# Altium PCB KAY1024_ATX.PcbDoc (part 1 of 4) (continued)
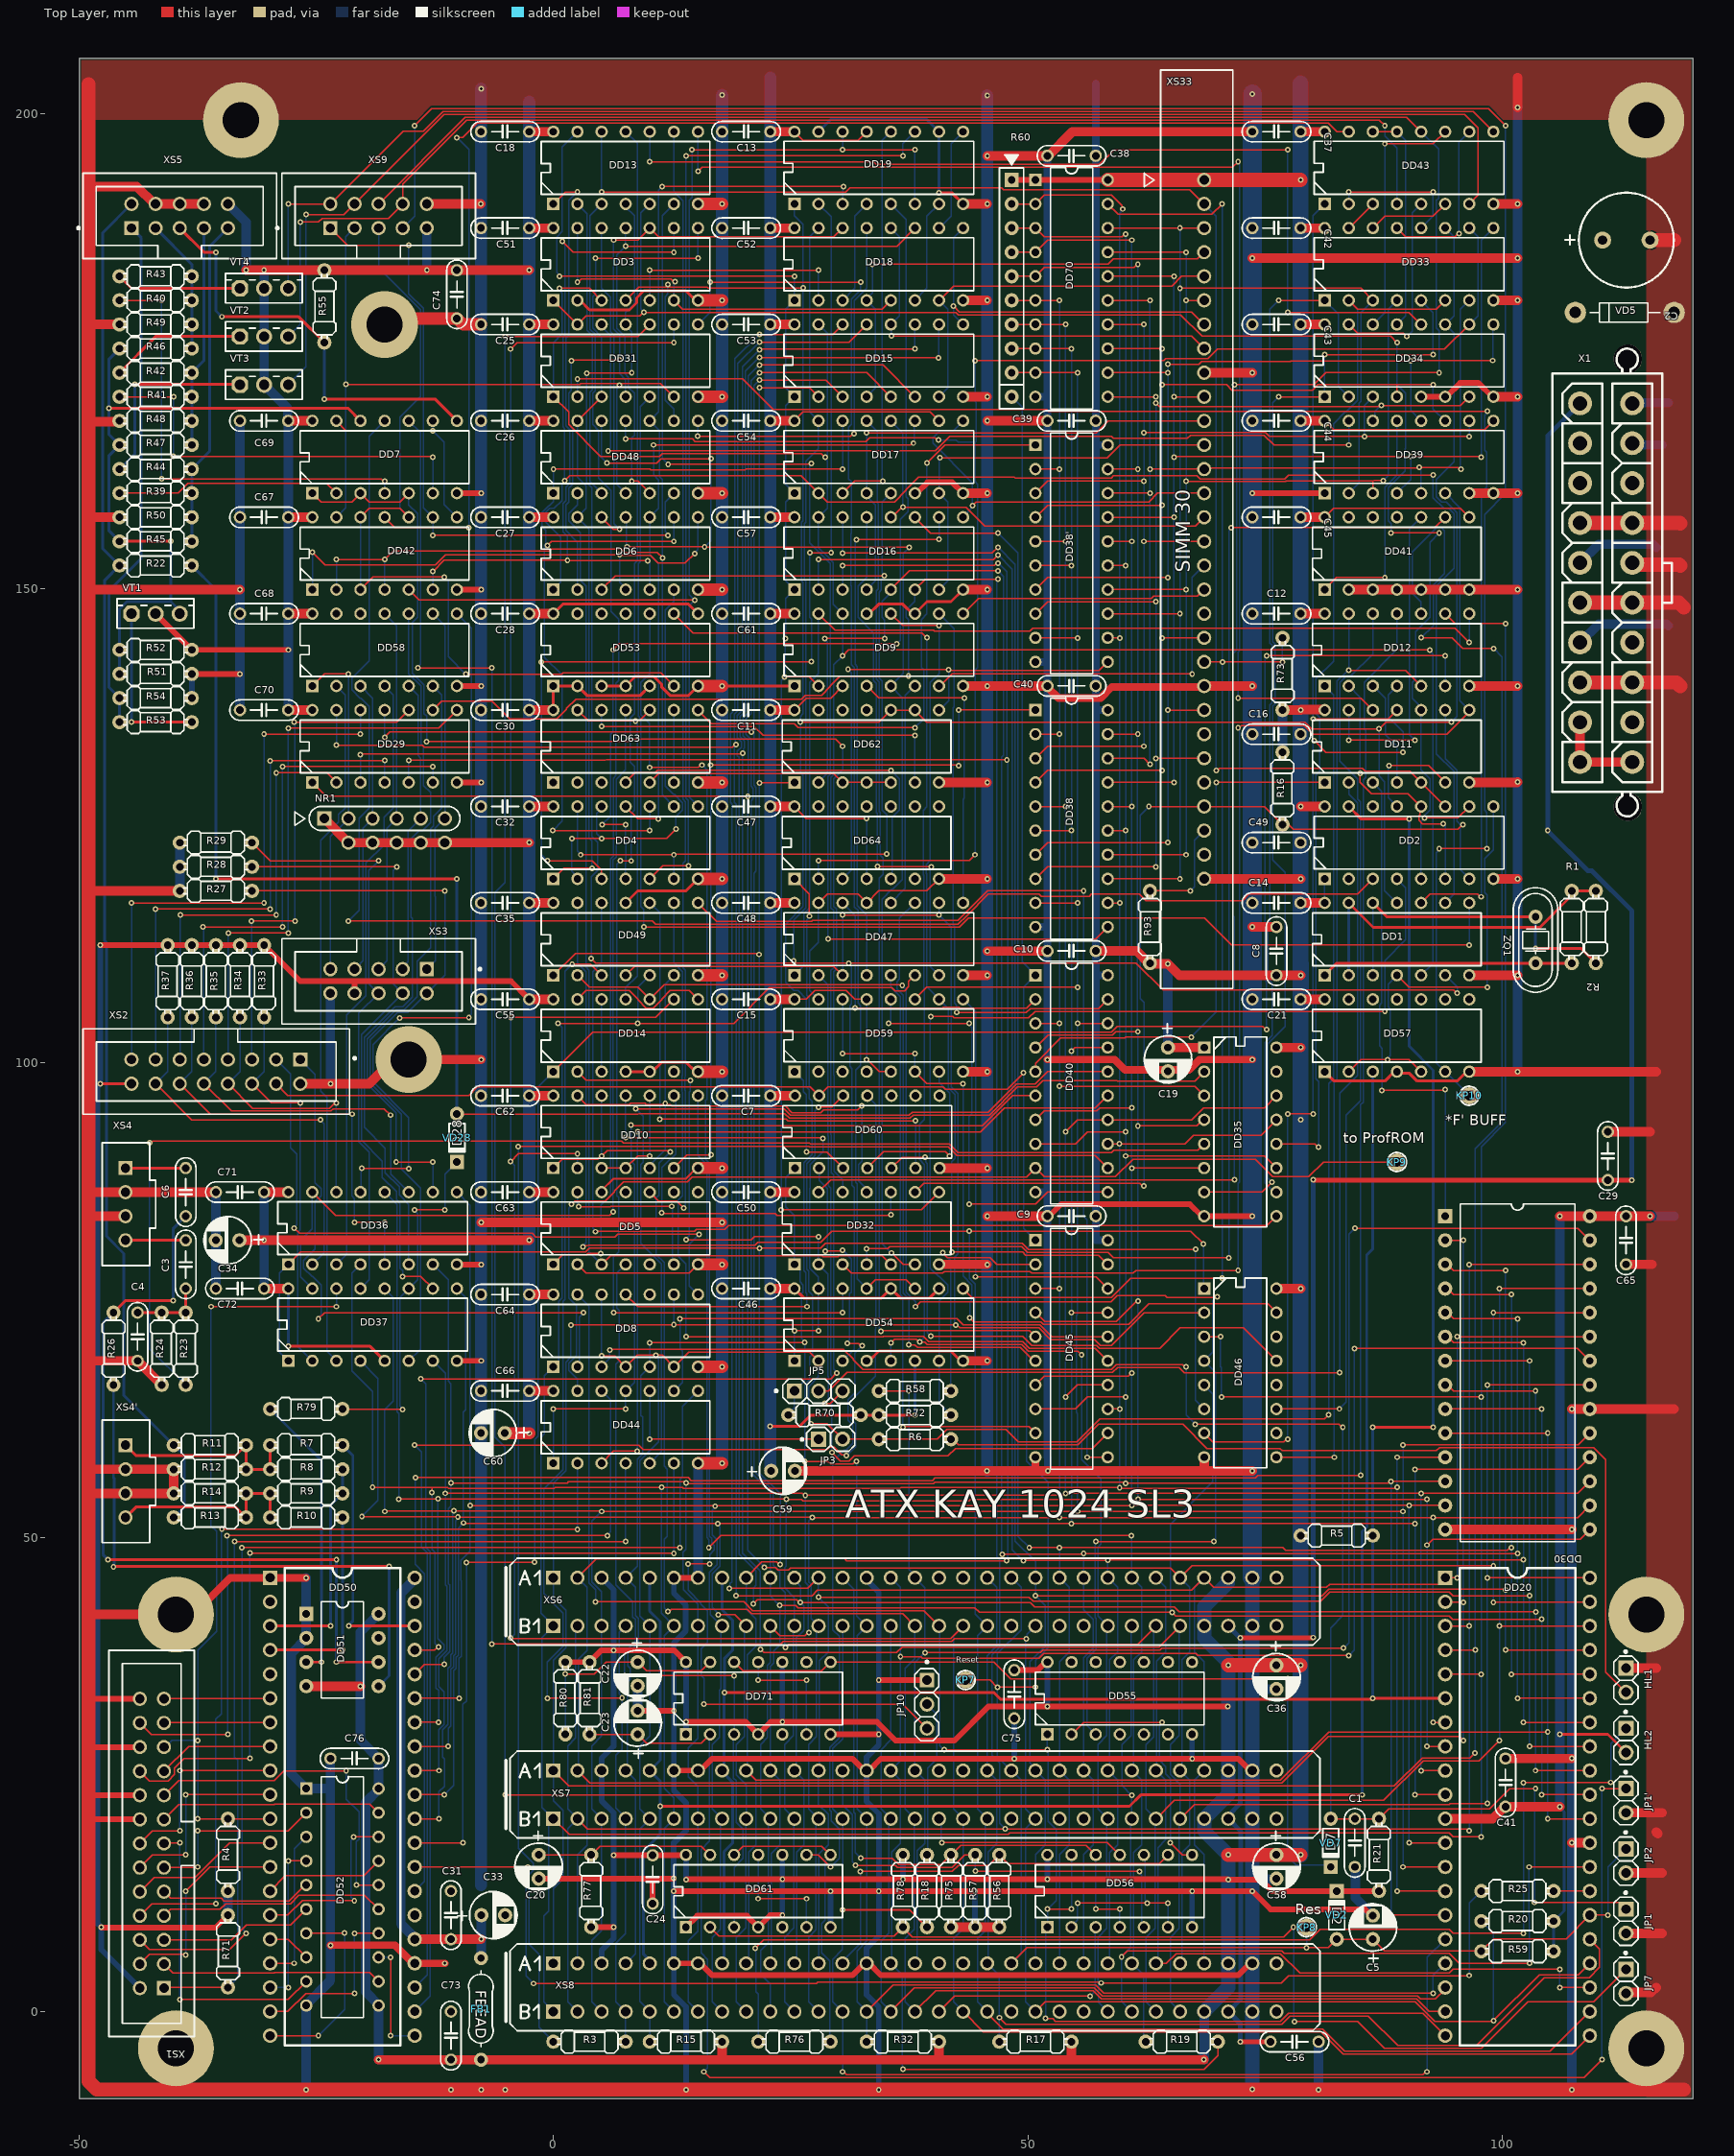
[diagram p0: Top Layer view]
## Footprints (in the part's own frame and the unit in brackets; to place one, negate y for a bottom-side part, rotate by r counter-clockwise, add the part's x,y. Pads: shape width x height; smd on the part's side, far side on the other; paste and mask are expansions set on the pad)
1N4148 [mm]
  round 1.5 hole 0.8: 1(5.08,0)
  rect 1.5x1.5 hole 0.8: 2(0,0)
  silkscreen extent 1.03,-0.84 4.05,0.84, body extent -0.29,-0.84 5.22,0.81, height 1.82
"AL CAP P=2.5 D=3" [mm]
  round 1.5 hole 0.8: 1(0,0) 2(2.5,0)
  silkscreen extent -2.52,-2.53 3.75,2.55, body extent -1.28,-2.52 3.73,2.48, height 11.31
"AL CAP P=5" [mm]
  round 1.8 hole 1: 1(0,0) 2(5,0)
  silkscreen extent -3.94,-5 7.5,5, body extent -3.71,-6.25 8.8,6.25, height 17.02
ATXPOWER [mm]
  round 2.5 hole 1.5: 1(0,0) 2(4.2,0) 3(8.4,0) 4(12.6,0) 5(16.8,0) 6(21,0) 7(25.2,0) 8(29.4,0) 9(33.6,0) 10(37.8,0) 11(0,-5.5) 12(4.2,-5.5) 13(8.4,-5.5) 14(12.6,-5.5) 15(16.8,-5.5) 16(21,-5.5) 17(25.2,-5.5) 18(29.4,-5.5) 19(33.6,-5.5) 20(37.8,-5.5)
  round 3 hole 3 unplated: 21(-4.7,-5.04) 22(42.5,-5.04)
  silkscreen extent -5.72,-9.7 43.57,2.9, body extent -5.7,-8.8 43.5,2.1, height 13.3
BH-10 [mm]
  rect 1.5x1.5 hole 1 paste-1000 mask+0: 1(-5.08,-1.495)
  round 1.5 hole 1 paste-1000 mask+0: 2(-5.08,1.045) 3(-2.54,-1.495) 4(-2.54,1.045) 5(0,-1.495) 6(0,1.045) 7(2.54,-1.495) 8(2.54,1.045) 9(5.08,-1.495) 10(5.08,1.045)
  silkscreen extent -10.8,-4.72 10.2,4.29, body extent -10.01,-4.34 10.01,4.24, height 10.14
BH-16 [mm]
  rect 1.5x1.5 hole 1 paste-1000 mask+0: 1(0,0)
  round 1.5 hole 1 paste-1000 mask+0: 2(0,2.54) 3(2.54,0) 4(2.54,2.54) 5(5.08,0) 6(5.08,2.54) 7(7.62,0) 8(7.62,2.54) 9(10.16,0) 10(10.16,2.54) 11(12.7,0) 12(12.7,2.54) 13(15.24,0) 14(15.24,2.54) 15(17.78,0) 16(17.78,2.54)
  silkscreen extent -5.85,-3.24 22.89,5.76, body extent -5.1,-3.16 22.88,6.02, height 9.43
BH-26 [mm]
  rect 1.5x1.5 hole 1 paste-1000 mask+0: 1(0,0)
  round 1.5 hole 1 paste-1000 mask+0: 2(0,2.54) 3(2.54,0) 4(2.54,2.54) 5(5.08,0) 6(5.08,2.54) 7(7.62,0) 8(7.62,2.54) 9(10.16,0) 10(10.16,2.54) 11(12.7,0) 12(12.7,2.54) 13(15.24,0) 14(15.24,2.54) 15(17.78,0) 16(17.78,2.54) 17(20.32,0) 18(20.32,2.54) 19(22.86,0) 20(22.86,2.54) 21(25.4,0) 22(25.4,2.54) 23(27.94,0) 24(27.94,2.54) 25(30.48,0) 26(30.48,2.54)
  silkscreen extent -5.12,-3.21 35.6,5.79, body extent -5.04,-3.1 35.64,5.9, height 9
BZX85C5V1 [mm]
  round 2.25 hole 1.2: 1(10.415,-0.003) 2(0,0)
  silkscreen extent 1.52,-1.02 8.96,1.02, body extent -0.5,-1.19 10.89,1.17, height 3.35
CAP [mm]
  round 1.3 hole 0.8: 1(0,0) 2(5.08,0)
  silkscreen extent -1.08,-1.08 6.16,1.08, body extent -0.25,-1.1 5.33,1.11, height 6
DIP8 [mm]
  rect 1.5x1.5 hole 0.8: 1(0,0)
  round 1.5 hole 0.8: 2(0,-2.54) 3(0,-5.08) 4(0,-7.62) 5(7.62,-7.62) 6(7.62,-5.08) 7(7.62,-2.54) 8(7.62,0)
  silkscreen extent 1.59,-8.89 6.03,1.27, body extent -0.13,-8.51 7.75,0.89, height 4.36
DIP14 [mm]
  rect 1.3x1.3 hole 0.8: 1(0,0)
  round 1.3 hole 0.8: 2(0,-2.54) 3(0,-5.08) 4(0,-7.62) 5(0,-10.16) 6(0,-12.7) 7(0,-15.24) 8(7.62,-15.24) 9(7.62,-12.7) 10(7.62,-10.16) 11(7.62,-7.62) 12(7.62,-5.08) 13(7.62,-2.54) 14(7.62,0)
  silkscreen extent 1.01,-16.5 6.57,1.28, body extent 0.03,-17.25 7.65,2.05, height 4.19
DIP16 [mm]
  rect 1.3x1.3 hole 0.8: 1(0,0)
  round 1.3 hole 0.8: 2(0,-2.54) 3(0,-5.08) 4(0,-7.62) 5(0,-10.16) 6(0,-12.7) 7(0,-15.24) 8(0,-17.78) 9(7.62,-17.78) 10(7.62,-15.24) 11(7.62,-12.7) 12(7.62,-10.16) 13(7.62,-7.62) 14(7.62,-5.08) 15(7.62,-2.54) 16(7.62,0)
  silkscreen extent 1.03,-18.9 6.6,1.1, body extent -0.12,-19.89 7.75,2.11, height 5.15
DIP20 [mm]
  rect 1.3x1.3 hole 0.8: 1(0,0)
  round 1.3 hole 0.8: 2(0,-2.54) 3(0,-5.08) 4(0,-7.62) 5(0,-10.16) 6(0,-12.7) 7(0,-15.24) 8(0,-17.78) 9(0,-20.32) 10(0,-22.86) 11(7.62,-22.86) 12(7.62,-20.32) 13(7.62,-17.78) 14(7.62,-15.24) 15(7.62,-12.7) 16(7.62,-10.16) 17(7.62,-7.62) 18(7.62,-5.08) 19(7.62,-2.54) 20(7.62,0)
  silkscreen extent 1.59,-24.13 6.03,1.27, body extent -0.13,-23.73 7.75,0.87, height 4.36
DIP28 [mm]
  rect 1.5x1.5 hole 0.8: 1(0,0)
  round 1.5 hole 0.8: 2(0,-2.54) 3(0,-5.08) 4(0,-7.62) 5(0,-10.16) 6(0,-12.7) 7(0,-15.24) 8(0,-17.78) 9(0,-20.32) 10(0,-22.86) 11(0,-25.4) 12(0,-27.94) 13(0,-30.48) 14(0,-33.02) 15(15.24,-33.02) 16(15.24,-30.48) 17(15.24,-27.94) 18(15.24,-25.4) 19(15.24,-22.86) 20(15.24,-20.32) 21(15.24,-17.78) 22(15.24,-15.24) 23(15.24,-12.7) 24(15.24,-10.16) 25(15.24,-7.62) 26(15.24,-5.08) 27(15.24,-2.54) 28(15.24,0)
  silkscreen extent 1.59,-34.29 13.65,1.27
DIP40 [mil]
  rect 60x60 hole 38: 1(0,0)
  round 60 hole 38: 2(0,-100) 3(0,-200) 4(0,-300) 5(0,-400) 6(0,-500) 7(0,-600) 8(0,-700) 9(0,-800) 10(0,-900) 11(0,-1000) 12(0,-1100) 13(0,-1200) 14(0,-1300) 15(0,-1400) 16(0,-1500) 17(0,-1600) 18(0,-1700) 19(0,-1800) 20(0,-1900) 21(600,-1900) 22(600,-1800) 23(600,-1700) 24(600,-1600) 25(600,-1500) 26(600,-1400) 27(600,-1300) 28(600,-1200) 29(600,-1100) 30(600,-1000) 31(600,-900) 32(600,-800) 33(600,-700) 34(600,-600) 35(600,-500) 36(600,-400) 37(600,-300) 38(600,-200) 39(600,-100) 40(600,0)
  silkscreen extent 60,-1940 540,40, body extent -46,-1948 646,48, height 204
HC49 [mm]
  round 1.5 hole 0.8: 1(0,0) 2(4.88,0)
  silkscreen extent -3.07,-2.35 7.95,2.35, body extent -3.21,-2.35 8.14,2.3, height 3.6
"L AIXAL" [mm]
  round 1.5 hole 0.8: 1(0,0) 2(10.716,0)
  silkscreen extent 1.33,-1.32 9.35,1.29
PLS-2 [mm]
  rect 1.6x1.6 hole 1: 1(0,0)
  round 1.6 hole 1: 2(2.54,0)
  silkscreen extent -1.86,-1.28 3.82,1.26, body extent -1.27,-1.27 3.81,1.27, height 8.54
PLS-3 [mm] "THD, 3-Leads, Body 7.62x2.49mm, Pitch 2.54mm"
  rect 1.55x1.55 hole 1.02: 1(-2.54,0)
  round 1.55 hole 1.02: 2(0,0) 3(2.54,0)
  silkscreen extent -4.58,-1.29 3.85,1.25, body extent -3.81,-1.24 3.81,1.24, height 8.38
RES [mm]
  round 1.5 hole 0.8: 1(0,3.81) 2(0,-3.81)
  silkscreen extent -1.2,-3.39 1.2,3.39, body extent -1,-3.2 1,3.2, height 2.27
SIL6 [mm]
  rect 1.5x1.5 hole 1: 1(0,0)
  round 1.5 hole 1: 1(2.54,-2.54) 1(5.08,-2.54) 1(7.62,-2.54) 1(10.16,-2.54) 1(12.7,-2.54) 2(2.54,0) 3(5.08,0) 4(7.62,0) 5(10.16,0) 6(12.7,0)
  silkscreen extent -3.11,-1.26 14.28,1.28
SIL10 [mm]
  rect 1.5x1.5 hole 0.8: 1(0,0)
  round 1.5 hole 0.8: 2(2.54,0) 3(5.08,0) 4(7.62,0) 5(10.16,0) 6(12.7,0) 7(15.244,0) 8(17.78,0) 9(20.32,0) 10(22.86,0)
  silkscreen extent -2.63,-1.29 24.13,1.25
SIMM30 [mm]
  round 1.5 hole 1: 1(0,0) 2(2.54,0) 3(5.08,0) 4(7.62,0) 5(10.16,0) 6(12.7,0) 7(15.24,0) 8(17.78,0) 9(20.32,0) 10(22.86,0) 11(25.4,0) 12(27.94,0) 13(30.48,0) 14(33.02,0) 15(35.56,0) 16(38.1,0) 17(40.64,0) 18(43.18,0) 19(45.72,0) 20(48.26,0) 21(50.8,0) 22(53.34,0) 23(55.88,0) 24(58.42,0) 25(60.96,0) 26(63.5,0) 27(66.04,0) 28(68.58,0) 29(71.12,0) 30(73.66,0)
  silkscreen extent -11.57,-6.32 85.23,3.02
SLOT62_ZXSLOT(Primary) [mm]
  rect 1.5x1.5 hole 1: A1(0,0) B1(-5.08,0)
  round 1.5 hole 1: A2(0,-2.54) A3(0,-5.08) A4(0,-7.62) A5(0,-10.16) A6(0,-12.7) A7(0,-15.24) A8(0,-17.78) A9(0,-20.32) A10(0,-22.86) A11(0,-25.4) A12(0,-27.94) A13(0,-30.48) A14(0,-33.02) A15(0,-35.56) A16(0,-38.1) A17(0,-40.64) A18(0,-43.18) A19(0,-45.72) A20(0,-48.26) A21(0,-50.8) A22(0,-53.34) A23(0,-55.88) A24(0,-58.42) A25(0,-60.96) A26(0,-63.5) A27(0,-66.04) A28(0,-68.58) A29(0,-71.12) A30(0,-73.66) A31(0,-76.2) B2(-5.08,-2.54) B3(-5.08,-5.08) B4(-5.08,-7.62) B5(-5.08,-10.16) B6(-5.08,-12.7) B7(-5.08,-15.24) B8(-5.08,-17.78) B9(-5.08,-20.32) B10(-5.08,-22.86) B11(-5.08,-25.4) B12(-5.08,-27.94) B13(-5.08,-30.48) B14(-5.08,-33.02) B15(-5.08,-35.56) B16(-5.08,-38.1) B17(-5.08,-40.64) B18(-5.08,-43.18) B19(-5.08,-45.72) B20(-5.08,-48.26) B21(-5.08,-50.8) B22(-5.08,-53.34) B23(-5.08,-55.88) B24(-5.08,-58.42) B25(-5.08,-60.96) B26(-5.08,-63.5) B27(-5.08,-66.04) B28(-5.08,-68.58) B29(-5.08,-71.12) B30(-5.08,-73.66) B31(-5.08,-76.2)
  silkscreen extent -7.11,-80.79 2.05,4.98, body extent -7.29,-80.8 2.19,4.54, height 15.13
Socket [mm]
  round 1.8 hole 1: 1(0,0)
  silkscreen extent -1,-1 1,1
STEREO_CONN [mm]
  rect 1.5x1.5 hole 1: 1(0,0)
  round 1.5 hole 1: 2(2.54,0) 3(5.08,0) 4(7.62,0)
  silkscreen extent -2.65,-2.46 10.27,3.17
VT [mm]
  round 1.7 hole 1.1: B(2.54,0) K(0,0)
  oct 1.7x1.7 hole 1.1: E(-2.54,0)
  silkscreen extent -4.07,-1.54 4.02,1.58, body extent -3.59,-1.38 3.61,1.62, height 5.67

## Part data
C1 C3 C4 C6 C7 C8 C9 C10 C11 C12 C13 C14 C15 C16 C18 C21 C24 C25 C26 C27 C28 C29 C30 C31 C32 C35 C37 C38 C39 C40 C41 C42 C43 C44 C45 C46 C47 C48 C49 C50 C51 C52 C53 C54 C55 C56 C57 C61 C62 C63 C64 C65 C66 C67 C68 C69 C70 C71 C72 C73 C74 C75 C76: library part C, Type=C
DD2: library part К555ТМ8, Type=ТМ8
DD3 DD4 DD5: library part К555ИЕ19, Type=ИЕ19
DD6: library part К555ЛИ3, Type=ЛИ3
DD7 DD44: library part К555ЛН2, Type=ЛН3
DD8 DD29: library part К555ЛП9, Type=ЛП9
DD9 DD54: library part К555КП12
  DD9: Type=КП2
  DD54: Type=КП12
DD11: library part К555ЛП5, Type=ЛП5
DD15 DD16 DD17 DD18 DD19 DD36 DD37 DD43 DD47 DD59: library part К555КП11, Type=КП11
DD20: library part Z80, Type=Z80A
DD31: library part К555ЛА4, Type=ЛА4
DD33 DD34: library part К555КП13_2, Type=КП13
DD35: library part К555ТМ9, Type=ТМ9
DD38 DD52: library part К555ИР22, Type=ИР22
DD39: library part К555ИР10, Type=ИР10
DD40 DD45: library part К555ИР35, Type=ИР35
DD41 DD53: library part К555ИР16_2, Type=ИР16
DD46: library part К555ИД7, Type=ИД7
DD49: library part К555ЛЕ4, Type=ЛЕ4
DD50: library part YM2149F, Type=YM2149F
DD51: library part 1006VI1, Type=1006ВИ1
DD57: library part К555ЛП8, Type=ЛП8
DD70: library part К555АП6, Type=К555АП6
HL1 HL2: library part SVETODIOD, Type=SVETODIOD
JP1 JP1' JP2 JP3 JP7: library part JUMPER2, Type=JUMPER2
JP5 JP10: library part JUMPER3, Type=JUMPER3
KP7 KP8 KP9 KP10: library part XS, Type=XS
NR1: library part NR6, Type=NR6
R1 R2 R3 R4 R5 R6 R7 R8 R9 R10 R11 R12 R13 R14 R15 R16 R17 R18 R19 R20 R21 R22 R23 R24 R25 R26 R27 R28 R29 R32 R33 R34 R35 R36 R37 R39 R40 R41 R42 R43 R44 R45 R46 R47 R48 R49 R50 R51 R52 R53 R54 R55 R56 R57 R58 R59 R70 R71 R72 R73 R75 R76 R77 R78 R79 R80 R81 R93: library part RES, Type=RES
R60: library part NR10, Type=NR10
VD2 VD7 VD28: library part DIOD_2, Type=DIOD_2
VT1 VT2 VT3 VT4: library part VT_NPN, Type=VT_NPN
X1: library part "ATX POWER CONN"
XS1: library part IDC-26
XS2: library part IDC-16
XS3 XS5: library part IDC-10
XS4 XS4': library part STEREO_CONN
XS6 XS7 XS8: library part NEMOBUS, Type=NEMOBUS
ZQ1: library part REZONATOR, Type=REZONATOR
C2 C5 C19 C20 C22 C23 C33 C34 C36 C58 C59 C60: Type=CP
DD1 DD32 DD58: Type=ЛН1
DD10 DD14 DD48 DD55 DD56 DD63: Type=ЛЛ1
DD12 DD42 DD62: Type=ЛА3
DD13 DD60: Type=ЛИ1
DD30: Type=27512
DD38': Type=ИР23
DD61 DD64 DD71: Type=ТМ2
VD5: Type=ZENER

## Free pads (board coordinates)
  round 8 hole 3.8: 0(-39.766,-3.874) 0(-39.766,41.846) 0(-32.926,199.326) 0(115.174,-3.874) 0(115.174,41.846) 0(115.174,199.326)

## Via types
v1: diameter 0.6, hole 0.3, Top Layer to Bottom Layer, tented both sides, 956 vias
v2: diameter 7, hole 3.8, Top Layer to Bottom Layer, 2 vias

## Nets (pads, with @x,y where several pads share a name; then routed paths per layer and width w, separated by ;. In a path a pad name is that pad's centre, name@x,y a point inside that pad or via, vN(x,y) a via of type N, cw(c..) or ccw(c..) an arc to the next point about the centre after c; other vN are vias at no path point)
0: DD50.21 DD52.13 | length 12.1
  Top Layer w0.15: v1(-17.145,-2.54) v1(-17.145,5.715)
  Bottom Layer w0.15: DD52.13@-18.415,5.715 v1(-17.145,5.715) ; v1(-17.145,-2.54) DD50.21@-14.605,-2.54
1: DD50.20 DD52.7 | length 21.1
  Top Layer w0.15: DD50.20@-29.845,-2.54 v1(-24.765,-2.54) ; DD52.7@-26.035,8.255 -26.029,8.261 -21.993,8.261 v1(-21.987,8.267)
  Bottom Layer w0.15: v1(-24.765,-2.54) -21.987,0.238 v1(-21.987,8.267)
2: DD50.19 DD52.14 | length 18.6
  Top Layer w0.15: DD50.19@-29.845,0 -27.978,0 -26.073,1.905 v1(-20.955,1.905) ; v1(-20.955,8.255) DD52.14@-18.415,8.255
  Bottom Layer w0.15: v1(-20.955,1.905) v1(-20.955,8.255)
3: DD50.18 DD52.4 | length 17.1
  Top Layer w0.15: v1(-27.94,15.875) DD52.4@-26.035,15.875
  Bottom Layer w0.15: DD50.18@-29.845,2.54 v1(-27.94,2.54) v1(-27.94,15.875)
4: DD50.17 DD52.3 | length 16.4
  Top Layer w0.15: DD50.17@-29.845,5.08 v1(-27.305,5.08)
  Bottom Layer w0.15: v1(-27.305,5.08) -27.305,17.145 DD52.3@-26.035,18.415
5: DD50.16 DD52.8 | length 4.6
  Top Layer w0.15: DD50.16@-29.845,7.62 -27.94,7.62 DD52.8@-26.035,5.715
6: DD50.15 DD52.18 | length 19.2
  Top Layer w0.15: DD50.15@-29.845,10.16 -27.978,10.16 -26.418,11.72 -20.995,11.72 v1(-20.972,11.697) ; v1(-21.065,18.415) DD52.18@-18.415,18.415
  Bottom Layer w0.15: v1(-21.065,18.415) -21.065,18.293 -21.34,18.018 -21.34,12.071 -20.972,11.703 v1(-20.972,11.697)
7: DD50.14 DD52.17 | length 12.7
  Top Layer w0.15: DD50.14@-29.845,12.7 -28.236,14.309 -19.981,14.309 DD52.17@-18.415,15.875
27512: DD11.3 DD30.1 | length 53.1
  Top Layer w0.15: v1(87.314,97.051) 87.366,97.103 93.928,97.103 v1(93.98,97.155)
  Bottom Layer w0.15: DD11.3@86.36,129.54 87.285,128.615 87.285,106.297 87.055,106.067 87.055,101.778 87.314,101.519 v1(87.314,97.051) ; DD30.1@93.98,83.82 v1(93.98,97.155)
*A0: DD15.2 DD20.30 DD30.10 DD36.1 DD37.1 DD46.6 DD49.1 DD62.1 XS6.A9 XS7.A9 XS8.A9 | length 472.6
  Top Layer w0.15: DD36.1@-27.94,78.74 -26.645,80.035 3.375,80.035 3.812,80.472 21.681,80.472 v1(21.71,80.443) ; DD49.1@0,109.22 2.312,111.532 21.448,111.532 21.574,111.406 v1(21.696,111.406) ; XS7.A9@20.32,25.4 21.345,24.375 76.625,24.375 81.693,29.443 104.766,29.443 v1(104.774,29.451) ; XS6.A9@20.32,45.72 20.32,45.731 21.975,47.386 23.513,47.386 23.788,47.111 v1(23.91,47.111) ; v1(21.71,129.486) 25.346,129.486 DD62.1@25.4,129.54 ; v1(21.71,171.124) 26.996,171.124 DD15.2@27.94,170.18 ; v1@21.718,80.519 21.794,80.443 28.162,80.443 28.7,80.98 49.411,80.98 50.07,80.321 v1(67.665,80.321) ; DD30.10@93.98,60.96 v1(104.775,60.96) ; v1(104.775,20.32) DD20.30@109.22,20.32
  Bottom Layer w0.15: DD37.1@-27.94,68.58 -28.865,69.505 -28.865,77.815 DD36.1@-27.94,78.74 ; XS8.A9@20.32,5.08 20.575,5.335 20.575,16.803 21.345,17.573 21.345,24.375 XS7.A9@20.32,25.4 20.422,25.502 20.422,37.582 21.345,38.505 21.345,41.382 20.32,42.407 XS6.A9@20.32,45.72 ; v1(21.71,171.124) v1(21.71,129.486) 21.703,129.479 21.703,111.413 v1(21.696,111.406) 21.703,111.399 21.703,80.45 v1(21.71,80.443) 21.71,56.773 23.91,54.573 v1(23.91,47.111) ; v1(67.665,80.321) 67.655,80.311 67.655,64.425 DD46.6@68.58,63.5 ; v1(104.775,20.32) v1(104.774,29.451) v1(104.775,60.96)
*A1: DD15.5 DD20.31 DD30.9 DD46.5 XS6.A10 XS7.A10 XS8.A10 | length 349.2
  Top Layer w0.15: v1(21.71,172.731) 33.009,172.731 DD15.5@35.56,170.18 ; v1(23.846,42.802) 25.533,42.802 25.808,42.527 44.426,42.527 44.888,42.065 65.17,42.065 65.193,42.087 v1(65.193,42.065) 65.581,41.677 94.41,41.677 94.74,41.346 v1(104.148,41.346) ; DD30.9@93.98,63.5 v1(104.14,63.5) ; v1(104.14,22.86) DD20.31@109.22,22.86
  Bottom Layer w0.15: v1(21.71,172.731) 21.697,172.731 20.835,171.869 20.835,136.786 20.273,136.224 20.273,134.61 20.823,134.06 20.823,129.135 21.065,128.894 21.065,127.845 20.821,127.601 20.821,56.814 22.86,54.774 XS6.A10@22.86,45.72 22.86,43.789 v1(23.846,42.802) 23.885,42.764 23.885,38.654 23.205,37.974 23.205,36.713 22.86,36.368 XS7.A10@22.86,25.4 23.885,24.375 23.885,17.573 22.953,16.641 22.953,5.173 XS8.A10@22.86,5.08 ; v1(65.193,42.065) 65.193,42.187 65.015,42.364 65.015,51.339 69.505,55.829 69.505,65.115 DD46.5@68.58,66.04 ; v1(104.14,22.86) 104.144,22.864 104.144,41.342 v1(104.148,41.346) 104.144,41.35 104.144,63.496 v1(104.14,63.5)
*A2: DD15.11 DD20.32 DD30.8 XS6.A11 XS7.A11 XS8.A11 | length 334.4
  Top Layer w0.15: v1(21.084,42.975) 21.486,43.377 25.649,43.377 25.924,43.102 v1(26.046,43.102) 50.275,43.102 50.738,42.64 65.431,42.64 65.946,42.124 v1(103.513,42.124) ; v1(21.71,175.134) 21.773,175.197 38.037,175.197 v1(38.1,175.26) ; DD30.8@93.98,66.04 94.209,66.04 94.844,65.405 v1(103.505,65.405) ; v1(103.505,25.4) DD20.32@109.22,25.4
  Bottom Layer w0.15: v1(21.084,42.975) 21.084,44.639 21.345,44.9 21.345,46.442 19.57,48.217 19.57,132.162 19.373,132.359 19.373,132.836 19.81,133.272 19.81,133.8 19.373,134.237 19.373,136.597 19.923,137.147 19.923,173.36 21.697,175.134 v1(21.71,175.134) ; XS8.A11@25.4,5.08 25.655,5.335 25.655,16.803 26.425,17.573 26.425,24.375 XS7.A11@25.4,25.4 25.602,25.602 25.602,39.393 26.343,40.134 26.343,40.158 26.425,40.24 26.425,42.723 v1(26.046,43.102) 26.046,44.815 25.4,45.461 XS6.A11@25.4,45.72 ; v1(38.1,175.26) DD15.11@38.1,177.8 ; v1(103.505,25.4) 103.509,25.404 103.509,42.124 103.509,65.401 v1(103.505,65.405)
*A3: DD15.14 DD20.33 DD30.7 XS6.A12 XS7.A12 XS8.A12 | length 326.6
  Top Layer w0.15: v1(18.528,44.594) 26.814,44.594 XS6.A12@27.94,45.72 ; v1(21.71,176.738) 29.418,176.738 DD15.14@30.48,177.8 ; v1(27.94,43.677) 50.125,43.677 50.562,43.24 80.856,43.24 81.833,44.217 94.41,44.217 94.812,43.815 v1(102.87,43.815) ; DD30.7@93.98,68.58 v1(102.87,68.58) ; v1(102.87,27.94) DD20.33@109.22,27.94
  Bottom Layer w0.15: v1(18.528,44.594) 18.614,44.681 18.614,45.105 18.805,45.295 18.805,127.283 18.66,127.428 18.66,136.732 19.148,137.22 19.148,174.185 21.702,176.738 v1(21.71,176.738) ; XS8.A12@27.94,5.08 27.985,5.125 27.985,16.593 28.965,17.573 28.965,20.791 27.94,21.816 XS7.A12@27.94,25.4 28.042,25.502 28.042,36.97 28.965,37.893 28.965,42.652 v1(27.94,43.677) XS6.A12@27.94,45.72 ; v1(102.87,27.94) v1(102.87,43.815) v1(102.87,68.58)
*A4: DD16.2 DD20.34 DD30.6 XS6.A24 XS7.A24 XS8.A24 | length 281.9
  Top Layer w0.15: v1(27.94,153.035) 46.387,153.035 v1(46.87,153.518) ; v1(49.513,47.514) 49.541,47.542 58.392,47.542 v1(58.42,47.57) 58.448,47.597 102.207,47.597 v1(102.235,47.625) ; DD30.6@93.98,71.12 94.209,71.12 94.844,70.485 v1(102.235,70.485) ; v1(102.235,30.48) DD20.34@109.22,30.48
  Bottom Layer w0.15: DD16.2@27.94,149.86 v1(27.94,153.035) ; v1(46.87,153.518) 48.367,152.021 48.367,48.661 v1(49.513,47.514) ; XS8.A24@58.42,5.08 58.613,5.273 58.613,16.741 59.445,17.573 59.445,24.375 XS7.A24@58.42,25.4 58.622,25.602 58.622,37.07 59.445,37.893 59.445,44.695 XS6.A24@58.42,45.72 v1(58.42,47.57) ; v1(102.235,30.48) v1(102.235,47.625) v1(102.235,70.485)
*A5: DD16.5 DD20.35 DD30.5 DD62.2 XS6.A23 XS7.A23 XS8.A23 | length 298.4
  Top Layer w0.15: v1(28.61,144.72) v1(34.91,144.72) ; DD16.5@35.56,149.86 37.541,151.841 v1(46.87,151.841) ; v1(47.326,48.196) 47.358,48.228 55.848,48.228 v1(55.88,48.26) v1(101.6,48.26) ; DD30.5@93.98,73.66 94.209,73.66 94.844,73.025 v1(101.6,73.025) ; v1(101.6,33.02) DD20.35@109.22,33.02
  Bottom Layer w0.15: DD62.2@27.94,129.54 27.94,129.581 28.865,130.506 28.865,144.343 28.61,144.598 v1(28.61,144.72) ; v1(34.91,144.72) 34.91,146.662 34.635,146.937 34.635,148.624 35.56,149.549 DD16.5@35.56,149.86 ; v1(46.87,151.841) 47.445,151.266 47.445,132.394 47.217,132.165 47.217,48.427 47.326,48.318 v1(47.326,48.196) ; XS8.A23@55.88,5.08 55.88,16.548 56.905,17.573 56.905,24.375 XS7.A23@55.88,25.4 55.88,37.292 56.905,38.317 56.905,41.307 55.88,42.332 XS6.A23@55.88,45.72 v1(55.88,48.26) ; v1(101.6,33.02) v1(101.6,48.26) v1(101.6,73.025)
*A6: DD16.11 DD20.36 DD30.4 XS6.A22 XS7.A22 XS8.A22 | length 269.8
  Top Layer w0.15: DD16.11@38.1,157.48 39.763,155.817 v1(46.87,155.817) ; v1(50.165,48.895) v1(53.34,48.895) 76.861,48.895 77.166,48.59 100.538,48.59 100.843,48.895 v1(100.965,48.895) ; DD30.4@93.98,76.2 94.209,76.2 94.844,75.565 v1(100.965,75.565) ; v1(100.965,35.56) DD20.36@109.22,35.56
  Bottom Layer w0.15: v1(46.87,155.817) 48.969,153.718 48.969,50.091 v1(50.165,48.895) ; XS8.A22@53.34,5.08 53.34,16.548 54.365,17.573 54.365,24.375 XS7.A22@53.34,25.4 53.34,36.868 54.365,37.893 54.365,44.695 XS6.A22@53.34,45.72 v1(53.34,48.895) ; v1(100.965,35.56) v1(100.965,48.895) v1(100.965,75.565)
*A7: DD16.14 DD20.37 DD30.3 XS6.A21 XS7.A21 XS8.A21 | length 278.9
  Top Layer w0.15: v1(30.48,153.705) 46.244,153.705 46.857,154.318 v1(46.87,154.318) ; v1(50.8,43.815) 81.007,43.815 81.709,44.517 100.298,44.517 v1(100.365,44.45) ; DD30.3@93.98,78.74 94.209,78.74 94.844,78.105 v1(100.33,78.105) ; v1(100.33,38.1) DD20.37@109.22,38.1
  Bottom Layer w0.15: v1(30.48,153.705) DD16.14@30.48,157.48 ; v1(46.87,154.318) 46.883,154.318 48.669,152.533 48.669,49.578 50.8,47.447 XS6.A21@50.8,45.72 v1(50.8,43.815) 51.825,42.79 51.825,38.494 50.225,36.895 50.225,26.204 50.8,25.63 XS7.A21@50.8,25.4 51.825,24.375 51.825,17.573 50.8,16.548 XS8.A21@50.8,5.08 ; v1(100.33,38.1) 100.348,38.118 100.348,44.45 100.348,78.087 v1(100.33,78.105)
*A8: DD15.3 DD20.38 DD29.11 DD30.25 XS6.B26 XS7.B26 XS8.B26 | length 375.5
  Top Layer w0.15: v1(-17.78,134.293) -17.226,134.848 v1(20.848,134.848) ; v1(21.71,171.931) 28.729,171.931 DD15.3@30.48,170.18 ; v1(24.435,38.391) 24.53,38.391 24.854,38.715 61.575,38.715 XS6.B26@63.5,40.64 ; XS7.B26@63.5,20.32 65.431,22.251 87.503,22.251 91.69,26.437 97.56,26.437 v1(99.698,28.575) ; v1(99.695,40.64) DD20.38@109.22,40.64 ; v1(99.695,76.2) DD30.25@109.22,76.2
  Bottom Layer w0.15: v1(-17.78,134.293) DD29.11@-17.78,137.16 ; v1(20.848,134.848) v1@21.123,134.848 ; v1(21.71,171.931) 21.703,171.931 21.135,171.362 21.135,134.859 v1@21.123,134.848 ; v1(24.435,38.391) 24.375,38.451 24.375,41.368 24.421,41.414 24.421,44.183 23.885,44.719 23.885,46.323 23.16,47.048 23.16,54.899 21.121,56.938 21.121,111.167 21.121,119.971 21.365,120.215 21.365,129.018 21.123,129.259 v1@21.123,134.848 ; XS8.B26@63.5,0 62.475,1.025 62.475,7.827 63.393,8.745 63.393,20.213 XS7.B26@63.5,20.32 62.475,21.345 62.475,28.147 63.245,28.917 63.245,40.385 XS6.B26@63.5,40.64 ; v1(99.695,76.2) v1(99.695,40.64) 99.697,40.638 99.697,28.577 v1(99.698,28.575)
*A9: DD15.6 DD20.39 DD29.1 DD30.24 XS6.A27 XS7.A27 XS8.A27 | length 363.9
  Top Layer w0.15: DD29.1@-25.4,129.54 -23.943,128.083 v1(20.49,128.083) ; v1(21.708,173.531) 34.749,173.531 DD15.6@38.1,170.18 ; v1(22.213,46.811) 23.397,46.811 23.672,46.536 24.766,46.536 24.975,46.745 65.015,46.745 XS6.A27@66.04,45.72 67.29,46.97 v1(99.06,46.97) ; v1(99.06,43.105) 99.098,43.142 109.182,43.142 DD20.39@109.22,43.18 ; v1(99.06,73.66) DD30.24@109.22,73.66
  Bottom Layer w0.15: v1(20.49,128.083) 20.523,128.116 20.523,133.935 19.973,134.485 19.973,136.348 20.535,136.91 20.535,172.369 21.697,173.531 v1(21.708,173.531) ; v1@20.52,128.052 20.49,128.021 20.49,48.59 22.213,46.866 v1(22.213,46.811) ; XS8.A27@66.04,5.08 66.233,5.273 66.233,16.741 67.065,17.573 67.065,24.375 XS7.A27@66.04,25.4 66.242,25.602 66.242,37.07 67.065,37.893 67.065,44.695 XS6.A27@66.04,45.72 ; v1(99.06,43.105) v1(99.06,46.97) v1(99.06,73.66)
*A10: DD15.10 DD20.40 DD29.3 DD30.21 XS6.B27 XS7.B27 XS8.B27 | length 390.4
  Top Layer w0.15: v1(-20.347,132.465) -20.281,132.531 19.882,132.531 v1(19.948,132.597) ; v1(21.71,174.334) 21.734,174.309 40.571,174.309 v1(40.595,174.285) ; v1(21.813,38.16) 21.868,38.16 22.212,37.816 36.166,37.816 36.757,38.406 63.806,38.406 XS6.B27@66.04,40.64 ; XS7.B27@66.04,20.32 67.543,21.823 94.41,21.823 94.519,21.932 v1(98.425,21.932) ; v1(98.425,45.72) DD20.40@109.22,45.72 ; v1(98.425,66.04) DD30.21@109.22,66.04
  Bottom Layer w0.15: v1(-20.347,132.465) -20.334,132.452 -20.334,129.554 DD29.3@-20.32,129.54 ; v1(19.948,132.597) 20.034,132.683 20.034,133.072 20.11,133.148 20.11,133.924 19.673,134.361 19.673,136.472 20.235,137.034 20.235,172.871 21.698,174.334 v1(21.71,174.334) ; v1@19.978,132.568 19.915,132.504 19.915,48.296 21.645,46.566 21.813,46.398 v1(21.813,38.16) ; v1(40.595,174.285) 40.618,174.308 40.618,177.778 DD15.10@40.64,177.8 ; XS8.B27@66.04,0 65.015,1.025 65.015,7.827 65.933,8.745 65.933,20.213 XS7.B27@66.04,20.32 66.04,23.95 65.015,24.975 65.015,28.147 65.942,29.074 65.942,40.542 XS6.B27@66.04,40.64 ; v1(98.425,21.932) v1(98.425,45.72) v1(98.425,66.04)
*A11: DD15.13 DD20.1 DD29.13 DD30.23 XS6.A28 XS7.A28 XS8.A28 | length 350.8
  Top Layer w0.15: v1(-22.86,133.465) -13.793,133.465 -13.6,133.272 18.875,133.272 19.113,133.51 v1(19.235,133.51) ; v1(19.27,43.815) 27.265,43.815 27.84,44.39 67.25,44.39 XS6.A28@68.58,45.72 69.605,44.695 81.463,44.695 81.801,45.033 93.293,45.033 DD20.1@93.98,45.72 v1(95.25,45.72) ; v1(21.71,175.934) 31.154,175.934 DD15.13@33.02,177.8 ; v1(95.25,71.12) DD30.23@109.22,71.12
  Bottom Layer w0.15: v1(-22.86,133.465) DD29.13@-22.86,137.16 ; v1(19.27,43.815) 19.27,127.242 19.073,127.439 19.073,133.227 19.235,133.389 v1(19.235,133.51) 19.15,133.595 19.15,134.035 19.073,134.113 19.073,136.721 19.448,137.096 19.448,173.685 21.697,175.934 v1(21.71,175.934) ; XS8.A28@68.58,5.08 68.58,16.548 67.555,17.573 67.555,24.375 XS7.A28@68.58,25.4 68.58,36.868 67.555,37.893 67.555,44.695 XS6.A28@68.58,45.72 ; v1(95.25,45.72) v1(95.25,71.12)
*A12: DD16.3 DD20.2 DD29.5 DD30.2 XS6.A2 XS7.A2 XS8.A2 | length 431.2
  Top Layer w0.15: v1(-15.24,131.865) 5.483,131.865 5.567,131.949 26.57,131.949 26.581,131.939 47.78,131.939 v1(47.792,131.927) ; XS7.A2@2.54,25.4 3.865,24.075 76.749,24.075 81.651,28.977 95.483,28.977 v1(95.885,28.575) ; XS6.A2@2.54,45.72 4.505,47.685 13.909,47.685 13.977,47.753 30.683,47.753 30.922,47.514 v1(47.75,47.514) ; v1(30.48,152.4) 46.494,152.4 46.748,152.654 v1(46.87,152.654) ; DD20.2@93.98,43.18 94.018,43.142 95.847,43.142 v1(95.885,43.105) ; DD30.2@93.98,81.28 v1(95.885,81.28)
  Bottom Layer w0.15: DD29.5@-15.24,129.54 v1(-15.24,131.865) ; XS8.A2@2.54,5.08 2.54,16.508 3.565,17.533 3.565,24.375 XS7.A2@2.54,25.4 2.642,25.502 2.642,37.112 3.565,38.035 3.565,44.695 XS6.A2@2.54,45.72 ; DD16.3@30.48,149.86 v1(30.48,152.4) ; v1(46.87,152.654) 47.792,151.732 v1(47.792,131.927) 47.792,131.805 47.901,131.696 47.901,47.958 47.836,47.893 47.836,47.601 v1(47.75,47.514) ; v1(95.885,28.575) v1(95.885,43.105) v1(95.885,81.28)
*A13: DD16.6 DD20.3 DD29.9 DD30.26 XS6.B2 XS7.B2 XS8.B2 | length 416.6
  Top Layer w0.15: DD29.9@-12.7,137.16 -11.775,138.085 -6.465,138.085 -4.615,136.235 0.383,136.235 1.39,137.242 1.39,137.318 2.397,138.325 26.141,138.325 26.546,138.73 28.278,138.73 29.203,139.655 29.203,139.731 30.213,140.742 v1(37.424,140.742) ; XS7.B2@2.54,20.32 3.622,19.238 47.605,19.238 v1@47.615,19.248 ; DD16.6@38.1,149.86 39.197,150.957 v1(46.87,150.957) ; v1(47.625,19.238) 47.629,19.242 96.206,19.242 96.398,19.05 v1(96.52,19.05) ; DD20.3@93.98,40.64 v1(96.52,40.64) ; v1(96.52,78.74) DD30.26@109.22,78.74
  Bottom Layer w0.15: XS8.B2@2.54,0 1.515,1.025 1.515,19.295 XS7.B2@2.54,20.32 1.515,21.345 1.515,28.005 2.342,28.833 2.342,40.442 XS6.B2@2.54,40.64 ; v1(37.424,140.742) 37.424,146.688 37.175,146.937 37.175,147.703 38.1,148.628 DD16.6@38.1,149.86 ; v1(46.87,150.957) 46.87,150.835 46.751,150.716 46.751,47.958 47.045,47.664 47.045,38.4 46.217,37.572 46.217,27.019 47.045,26.191 47.045,19.818 v1(47.625,19.238) ; v1(96.52,19.05) v1(96.52,40.64) v1(96.52,78.74)
*A14: DD8.9 DD12.10 DD20.4 DD46.2 DD47.3 DD47.10 DD49.4 XS6.A1 XS7.A1 XS8.A1 | length 480.3
  Top Layer w0.15: XS7.A1@0,25.4 1.625,23.775 88.603,23.775 91.565,26.737 96.596,26.737 v1(97.124,27.265) ; v1(1.845,72.354) 1.863,72.372 12.682,72.372 v1(12.7,72.39) 12.73,72.36 42.396,72.36 v1(42.426,72.331) ; DD49.4@7.62,109.22 8.545,110.145 29.555,110.145 DD47.3@30.48,109.22 ; v1(30.48,115.57) v1(40.64,115.57) ; v1@42.426,72.39 42.489,72.39 42.834,72.045 51.183,72.045 52.408,70.82 57.029,70.82 57.654,70.195 58.803,70.195 62.268,73.66 DD46.2@68.58,73.66 ; v1(91.44,144.78) 94.694,144.78 95.815,143.659 v1(99.103,143.659) ; DD20.4@93.98,38.1 v1(97.155,38.1)
  Bottom Layer w0.15: XS8.A1@0,5.08 0,12.957 1.025,13.982 1.025,21.184 0,22.209 XS7.A1@0,25.4 0,37.01 1.325,38.335 1.325,42.29 0,43.615 XS6.A1@0,45.72 0,55.672 1.315,56.987 1.315,68.452 1.845,68.982 v1(1.845,72.354) ; v1(12.7,72.39) DD8.9@12.7,75.565 ; DD47.3@30.48,109.22 v1(30.48,115.57) ; DD47.10@40.64,116.84 v1(40.64,115.57) 41.912,114.298 41.912,97.469 42.629,96.752 42.629,79.872 42.255,79.498 42.255,72.624 42.426,72.453 v1(42.426,72.331) ; v1(91.44,144.78) 92.723,146.063 92.723,150.335 93.92,151.532 93.92,156.068 93.583,156.405 93.107,156.405 90.515,153.813 90.515,149.477 91.44,148.552 DD12.10@91.44,147.32 ; v1(97.124,27.265) 97.139,27.28 97.139,38.084 v1(97.155,38.1) 97.155,90.939 99.985,93.769 99.985,142.777 v1(99.103,143.659)
*A15: DD8.1 DD12.9 DD20.5 DD46.3 DD47.6 DD49.5 XS6.B1 XS7.B1 XS8.B1 | length 427.3
  Top Layer w0.15: XS7.B1@0,20.32 1.657,18.663 47.956,18.663 48.11,18.817 94.41,18.817 94.812,18.415 v1(97.79,18.415) ; v1(0.499,104.14) v1(8.89,104.14) 19.012,104.14 22.777,107.905 35.643,107.905 35.985,107.563 37.008,107.563 37.444,107.999 37.444,108.564 DD47.6@38.1,109.22 ; DD46.3@68.58,71.12 v1(70.294,71.12) ; v1(70.397,64.77) v1(97.79,64.77) ; DD20.5@93.98,35.56 v1(97.79,35.56) ; DD12.9@93.98,147.32 95.032,146.268 v1(100.33,146.268)
  Bottom Layer w0.15: XS8.B1@0,0 -1.025,1.025 -1.025,10.082 -0.518,10.588 -0.518,19.802 XS7.B1@0,20.32 -1.21,21.53 -1.21,39.43 XS6.B1@0,40.64 -1.325,41.965 -1.325,60.501 -0.95,60.876 -0.95,66.995 DD8.1@0,67.945 0.575,68.52 0.575,74.832 0.925,75.182 0.925,103.714 v1(0.499,104.14) ; v1(8.89,104.14) 8.89,107.95 DD49.5@10.16,109.22 ; v1(70.294,71.12) 70.294,67.997 70.397,67.893 v1(70.397,64.77) ; v1(97.79,18.415) v1(97.79,35.56) v1(97.79,64.77) 97.79,91.149 100.33,93.689 v1(100.33,146.268)
*BLK: DD49.3 R3.2 XS6.B4 XS7.B4 XS8.B4 | length 137.4
  Top Layer w0.15: v1(-0.635,33.02) -0.616,33.039 7.221,33.039 v1(7.24,33.058) ; v1(1.982,110.389) 1.989,110.382 3.918,110.382 DD49.3@5.08,109.22
  Bottom Layer w0.15: v1(-0.635,33.02) -0.635,36.824 1.025,38.484 1.025,42.006 -1.025,44.056 -1.025,55.071 1.015,57.111 1.015,74.848 1.225,75.058 1.225,109.632 v1(1.982,110.389) ; R3.2@7.62,-3.175 XS8.B4@7.62,0 6.595,1.025 6.595,7.199 7.62,8.224 XS7.B4@7.62,20.32 7.62,20.427 6.595,21.452 6.595,27.001 7.24,27.646 v1(7.24,33.058) 7.24,33.18 6.937,33.483 6.937,39.944 7.62,40.628 XS6.B4@7.62,40.64
*BUSAK/: DD20.23 XS6.A26 XS7.A26 XS8.A26 | length 91.4
  Top Layer w0.15: XS8.A26@63.5,5.08 64.59,5.08 65.615,6.105 76.625,6.105 78.687,4.043 94.41,4.043 94.819,4.452 v1(106.045,4.452) ; v1(106.045,2.54) DD20.23@109.22,2.54
  Bottom Layer w0.15: XS8.A26@63.5,5.08 63.693,5.273 63.693,17.271 64.525,18.103 64.525,24.375 XS7.A26@63.5,25.4 63.545,25.445 63.545,36.913 64.525,37.893 64.525,44.695 XS6.A26@63.5,45.72 ; v1(106.045,2.54) v1(106.045,4.452)
*BUSRQ/: DD20.25 R17.2 XS6.A19 XS7.A19 XS8.A19 | length 123.1
  Top Layer w0.15: v1(46.99,-0.635) 47.68,-1.325 76.749,-1.325 77.599,-0.475 85.882,-0.475 88.984,-3.577 97.267,-3.577 104.421,3.577 109.184,3.577 110.257,4.65 110.257,6.583 DD20.25@109.22,7.62
  Bottom Layer w0.15: XS6.A19@45.72,45.72 46.745,44.695 46.745,38.524 45.72,37.499 XS7.A19@45.72,25.4 46.745,24.375 46.745,17.715 45.813,16.782 45.813,5.173 XS8.A19@45.72,5.08 46.99,3.81 v1(46.99,-0.635) R17.2@46.99,-3.175
*CLOCK: DD2.15 DD20.6 R5.1 XS6.A8 XS7.A8 XS8.A8 | length 225.7
  Top Layer w0.3: v1(18.056,33.609) 46.427,33.609 47.146,32.89 86.149,32.89 86.279,33.02 v1(86.36,33.02) DD20.6@93.98,33.02 ; DD2.15@83.82,127 85.145,125.675 v1(90.17,125.675) ; v1(86.36,61.595) v1(92.71,61.595)
  Bottom Layer w0.3: XS8.A8@17.78,5.08 17.973,5.273 17.973,16.847 18.88,17.754 18.88,24.194 17.78,25.294 XS7.A8@17.78,25.4 17.999,25.619 17.999,33.552 v1(18.056,33.609) 18.05,33.615 18.05,37.244 18.88,38.074 18.88,41.247 17.78,42.347 XS6.A8@17.78,45.72 ; v1(86.36,33.02) R5.1@86.36,50.165 v1(86.36,61.595) ; v1(90.17,125.675) 90.2,125.645 90.2,101.714 92.71,99.204 v1(92.71,61.595)
*CSROM/: DD10.8 R19.1 XS6.A25 XS7.A25 XS8.A25 | length 148.8
  Top Layer w0.15: v1(16.39,48.895) 17.66,50.165 v1(60.921,50.165)
  Bottom Layer w0.15: DD10.8@15.24,96.52 15.24,90.208 16.165,89.283 16.165,49.969 16.39,49.744 v1(16.39,48.895) ; v1(60.921,50.165) 60.941,50.146 60.941,45.739 XS6.A25@60.96,45.72 61.985,44.695 61.985,37.893 61.162,37.07 61.162,25.602 XS7.A25@60.96,25.4 61.985,24.375 61.985,17.573 61.153,16.741 61.153,5.273 XS8.A25@60.96,5.08 62.175,3.865 62.175,-2.938 R19.1@62.412,-3.175
*D0: DD20.14 DD30.11 DD35.13 DD36.4 DD38'.12 DD38.12 DD40.13 DD45.13 DD50.37 DD70.2 R60.2 XS6.B6 XS7.B6 XS8.B6 | length 436.5
  Top Layer w0.15: v1(-19.05,55.245) -12.795,55.245 ; DD50.37@-14.605,38.1 -12.515,38.1 -12.194,38.421 v1(-12.093,38.421) ; v1(-12.795,54.705) -12.795,55.245 ; R60.2@48.337,190.5 DD70.2@50.8,190.5 51.725,191.425 58.803,191.425 59.91,190.318 59.91,190.06 v1(59.996,189.974) ; DD45.13@58.42,63.5 v1(59.69,63.5) ; DD40.13@58.42,91.44 58.428,91.448 59.645,91.448 v1(59.653,91.456) 66.57,91.456 67.479,92.365 74.585,92.365 DD35.13@76.2,93.98 ; DD38.12@58.42,116.84 v1(59.69,116.84) ; DD38'.12@58.42,144.78 58.437,144.763 59.673,144.763 v1(59.69,144.746) ; v1(59.672,55.222) 36.64,55.222 36.556,55.138 13.732,55.138 13.625,55.245 v1(11.43,55.245) 0.191,55.245 0.084,55.138 -11.033,55.138 -11.14,55.245 -12.795,55.245 ; v1@59.694,55.241 59.799,55.136 60.06,55.136 60.087,55.109 88.642,55.109 88.778,55.245 v1(88.9,55.245) ; v1(88.9,12.7) DD20.14@93.98,12.7 ; v1(88.9,58.42) DD30.11@93.98,58.42
  Bottom Layer w0.15: DD36.4@-20.32,78.74 -21.245,77.815 -21.245,67.533 -19.05,65.338 v1(-19.05,55.245) ; v1(-12.795,54.705) -12.795,48.73 -12.456,48.391 -12.456,38.8 -12.093,38.437 v1(-12.093,38.421) ; v1(11.43,55.245) 11.375,55.19 11.375,41.965 XS6.B6@12.7,40.64 11.675,39.615 11.675,23.552 12.7,22.527 XS7.B6@12.7,20.32 11.675,19.295 11.675,1.025 XS8.B6@12.7,0 ; v1(59.672,55.222) 59.681,55.231 59.681,63.491 v1(59.69,63.5) 59.671,63.519 59.671,91.438 v1(59.653,91.456) 59.671,91.475 59.671,116.821 v1(59.69,116.84) v1(59.69,144.746) 59.69,189.546 59.996,189.852 v1(59.996,189.974) ; v1(88.9,12.7) v1(88.9,55.245) v1(88.9,58.42)